# Altium PCB wulpus_pro_acq.PcbDoc (part 1 of 3) (continued)
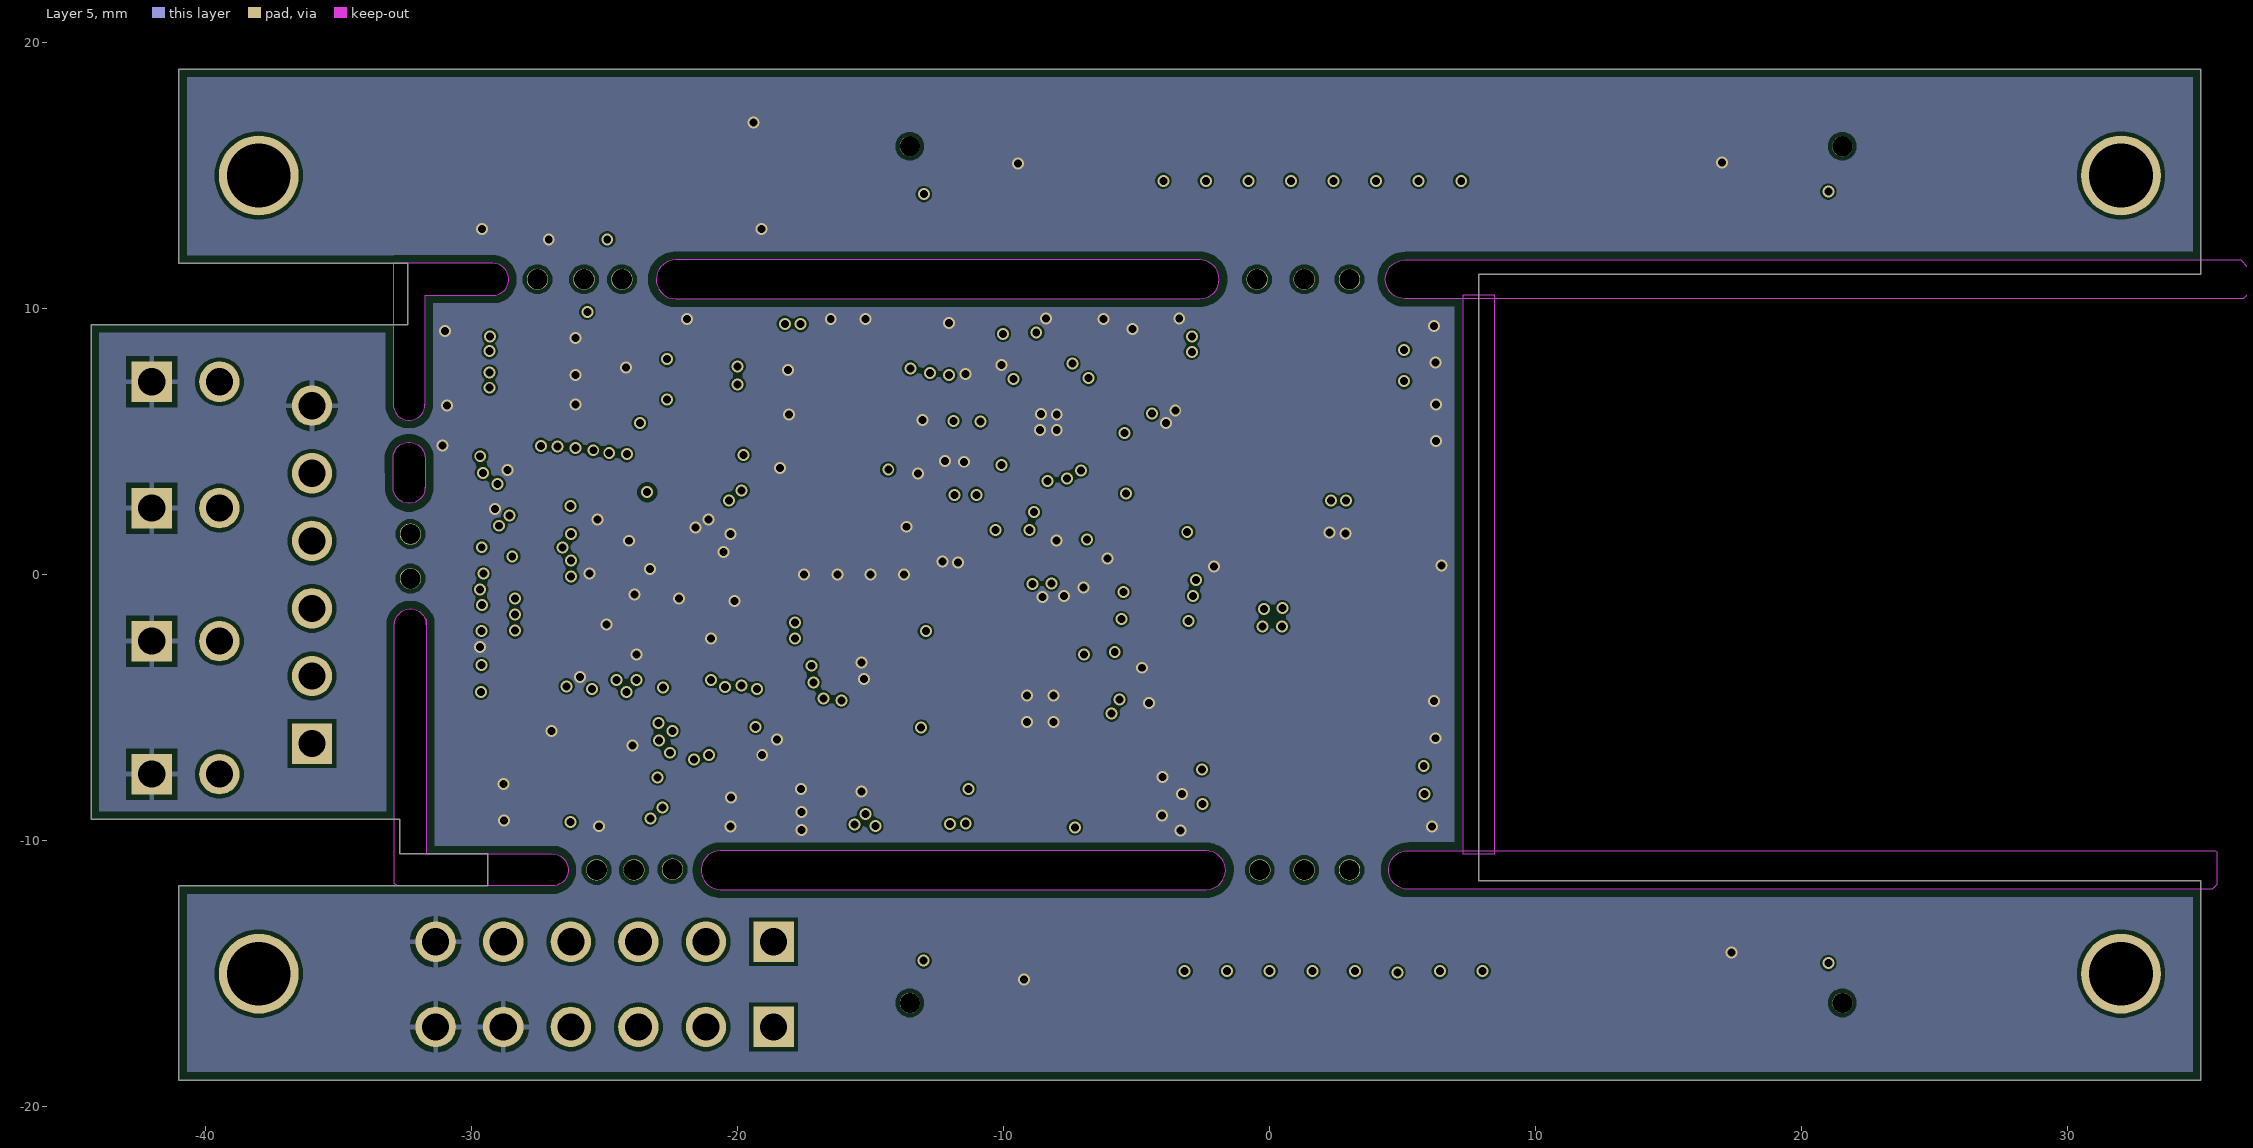
[diagram p5: Layer 5]
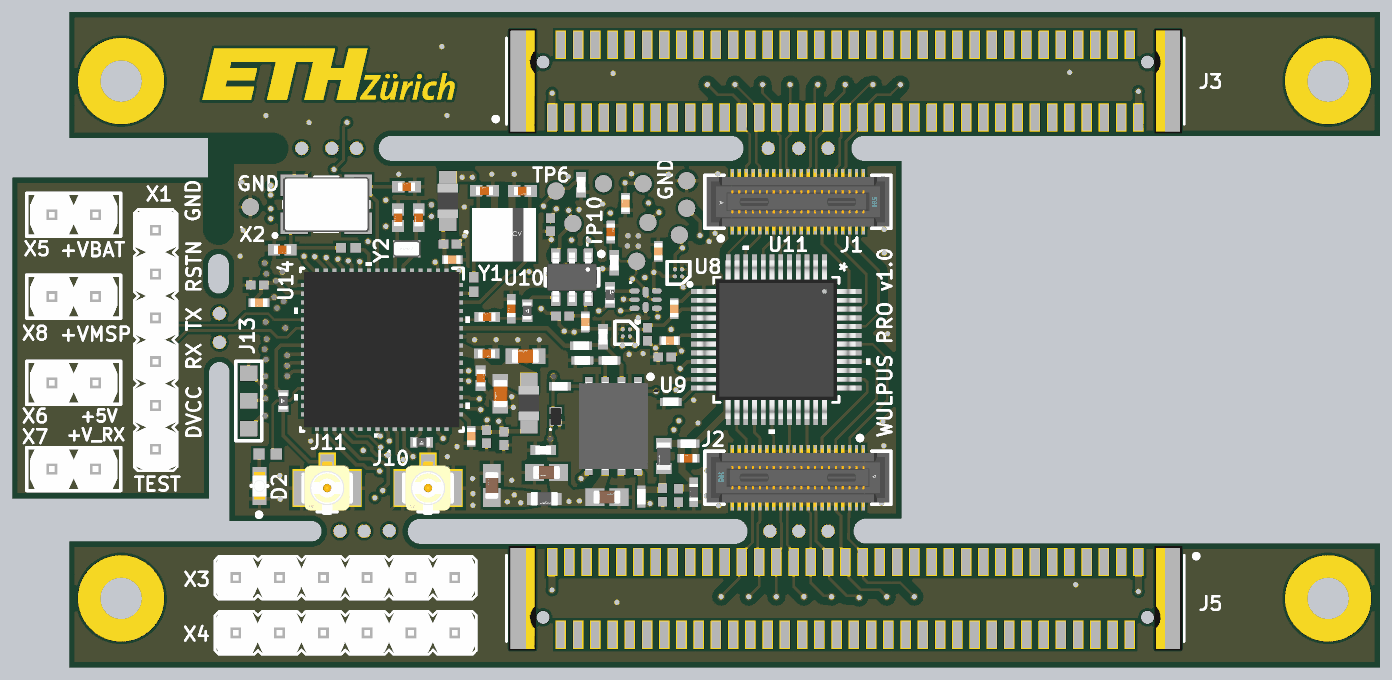
[diagram p8: 3D render of the assembled board from above, using the file's embedded part models]
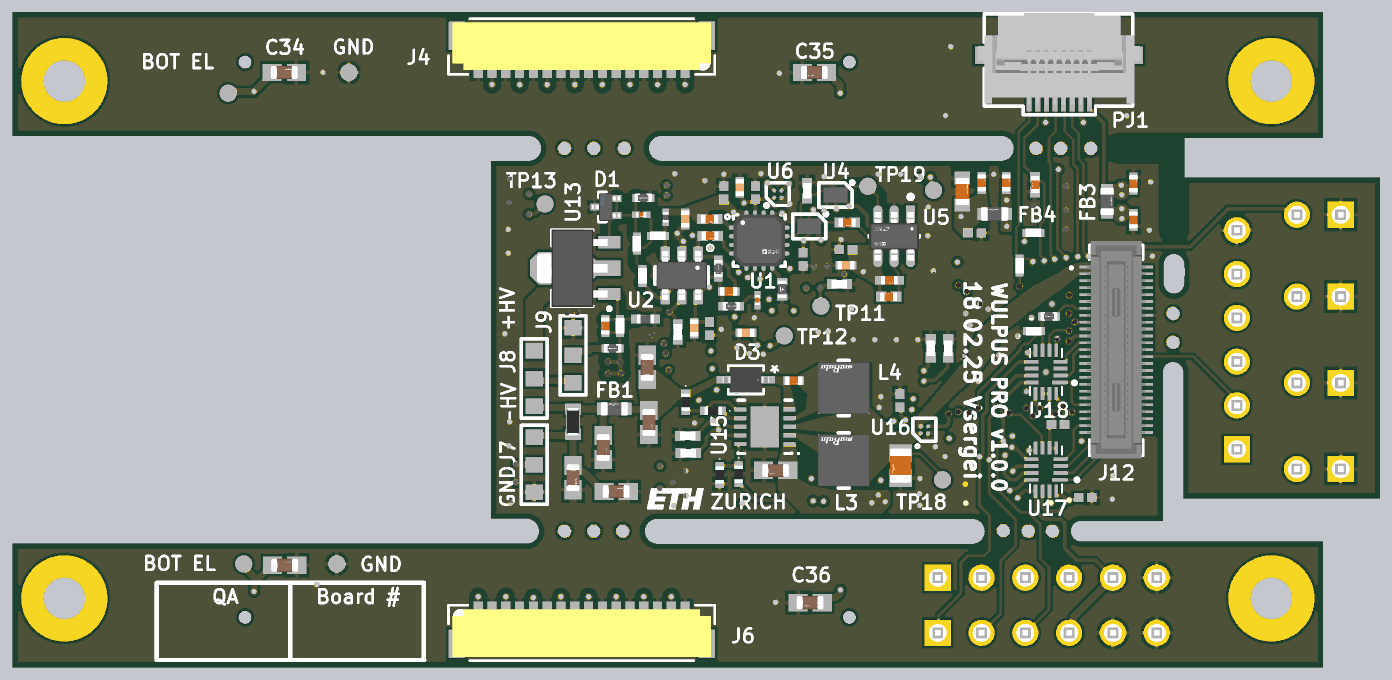
[diagram p9: 3D render of the assembled board from below, using the file's embedded part models]

## Layer stack, top to bottom
Top Solder: solder mask 0.0102, Solder Resist, Dk 3.5
Top Layer: signal copper 0.035
Dielectric 3: prepreg 0.109, PP-2116, Dk 4.36
Layer 2: signal copper 0.03
Dielectric 5: core 0.15, Core-009, Dk 4.41
Layer 3: signal copper 0.03
Dielectric 1: prepreg 0.109, PP-2116, Dk 4.16
Dielectric 2: prepreg 0.109, PP-2116, Dk 4.16
Layer 4: signal copper 0.03
Dielectric 6: core 0.15, Core-009, Dk 4.41
Layer 5: signal copper 0.03
Dielectric 4: prepreg 0.109, PP-2116, Dk 4.36
Bottom Layer: signal copper 0.035
Bottom Solder: solder mask 0.0102, Solder Resist, Dk 3.5

## Board outline
-41,-19 -41,-11.7 -29.4,-11.7 -29.4,-10.5 -32.7,-10.5 -32.7,-9.2 -44.3,-9.2 -44.3,9.4 -32.4,9.4 -32.4,11.7 -41,11.7 -41,19 35,19 35,11.3 7.85,11.3 7.85,-11.5 35,-11.5 35,-19
cut-out: 30.152,-10.373 30.155,-10.375 35.55,-10.375 35.6,-10.425 35.6,-11.65 35.423,-11.827 30.152,-11.827 5.2,-11.827 cw(c5.2,-11.1) 5.2,-10.373
cut-out: 36.498,11.827 36.75,11.575 36.75,10.525 36.597,10.372 30.102,10.372 5.076,10.372 cw(c5.077,11.1) 5.077,11.827
cut-out: -22.335,10.373 -2.625,10.373 ccw(c-2.625,11.1) -1.898,11.1 ccw(c-2.625,11.1) -2.625,11.827 -2.626,11.827 -22.333,11.827 ccw(c-22.333,11.1)
cut-out: -32.947,3.275 -32.95,4.375 cw(c-32.35,4.375) -31.75,4.375 -31.75,3.275 -31.753,3.275 cw(c-32.35,3.275)
cut-out: -32.947,6.4 ccw(c-32.35,6.4) -31.753,6.4 -31.75,6.4 -31.75,10.5 -29.2,10.5 ccw(c-29.2,11.1) -29.2,11.7 -32.919,11.7 -32.947,11.672
cut-out: -32.8,-11.7 -32.9,-11.6 -32.9,-1.886 cw(c-32.3,-1.886) -31.7,-1.886 -31.7,-1.675 -31.7,-10.5 -26.968,-10.5 cw(c-26.968,-11.1) -26.968,-11.7
cut-out: -20.65,-11.837 -2.388,-11.837 ccw(c-2.388,-11.11) -1.661,-11.111 -1.661,-11.11 ccw(c-2.388,-11.11) -2.388,-10.382 -20.65,-10.382 ccw(c-20.65,-11.11)
cut-out: 7.25,-10.5 8.45,-10.5 8.45,10.5 7.25,10.5

## Design rules (kind name [scope] priority, off if disabled: settings)
BoardOutlineClearance [Not OnSilkscreen] p1: gap=0.3 ignorepadtopadclearanceinfootprint=FALSE except(0.2: Track-OutlineEdge Track-CavityEdge Track-CutoutEdge SMDPad-OutlineEdge SMDPad-CavityEdge SMDPad-CutoutEdge; 0.5: THPad-OutlineEdge THPad-CavityEdge THPad-CutoutEdge Via-OutlineEdge Via-CavityEdge Via-CutoutEdge)
Clearance Clearance_RF [InNetClass('RF') vs InNet('GND')] p1: gap=0.15 ignorepadtopadclearanceinfootprint=FALSE except(0.2: Arc-THPad Track-THPad; 0.45: Arc-Fill Arc-Poly Arc-Region Track-Fill Track-Poly Track-Region Fill-Fill Fill-Poly Fill-Region Poly-Poly Poly-Region Region-Region)
Clearance [All] p2: gap=0.15 ignorepadtopadclearanceinfootprint=FALSE except(0.2: Arc-THPad Track-THPad)
ComponentClearance [All] p1: gap=0.1 collisioncheckmode=3 verticalgap=0.3 showdistances=TRUE
HoleToHoleClearance [All] p1: gap=0.254 allowstackedmicrovias=FALSE
MinimumSolderMaskSliver [All] p1: minsoldermaskwidth=0.1
PlaneConnect [All] p1: planeconnectstyle=Relief reliefexpansion=0.508 reliefentries=4 reliefconductorwidth=0.254 reliefairgap=0.2
PolygonConnect PolygonConnect_GND_via [InNet('GND') vs IsVia] p1: connectstyle=Direct reliefconductorwidth=0.254 reliefentries=4 polygonreliefangle="90 Angle" airgapwidth=0.254
PolygonConnect PolygonConnect_GND [InNet('GND')] p2: connectstyle=Relief reliefconductorwidth=0.2 reliefentries=4 polygonreliefangle="90 Angle" airgapwidth=0.2
PolygonConnect [All] p3: connectstyle=Direct reliefconductorwidth=0.254 reliefentries=4 polygonreliefangle="90 Angle" airgapwidth=0.254
RoutingVias [All] p1: holewidth=0.3 width=0.45 viastyle="Through Hole" minholewidth=0.3 minwidth=0.45 maxholewidth=0.3 maxwidth=0.45
SilkToSilkClearance [All] p1: silktosilkclearance=0.01
SilkToSolderMaskClearance [IsPad] p1: minsilkscreentomaskgap=0.01 clearancetoexposedcopper=TRUE
SolderMaskExpansion [IsVia] p1: expansion=0.102 istentingtop=TRUE
SolderMaskExpansion SolderMaskExpansion_1 [All] p2: expansion=0.025 istentingtop=FALSE
SupplyNets "Schematic Supply Nets_14" [InNet('DVCC1')] p1: voltage=0.000
SupplyNets "Schematic Supply Nets_13" [InNet('+V_RX_CONN')] p2: voltage=0.000
SupplyNets "Schematic Supply Nets_8" [InNet('+VBAT')] p3: voltage=0.000
SupplyNets "Schematic Supply Nets_6" [InNet('+VCC_MSP430_CONN')] p4: voltage=0.000
SupplyNets "Schematic Supply Nets_4" [InNet('+V_IO_IN')] p5: voltage=0.000
SupplyNets "Schematic Supply Nets_27" [InNet('GND')] p6: voltage=0.000
SupplyNets "Schematic Supply Nets_25" [InNet('VOUT_NEG')] p7: voltage=0.000
SupplyNets "Schematic Supply Nets_24" [InNet('+V_HV_MUX')] p8: voltage=0.000
SupplyNets "Schematic Supply Nets_20" [InNet('+V_IN_HV')] p9: voltage=0.000
SupplyNets "Schematic Supply Nets_17" [InNet('+HV')] p10: voltage=0.000
SupplyNets "Schematic Supply Nets_12" [InNet('+5V')] p11: voltage=0.000
SupplyNets "Schematic Supply Nets_11" [InNet('-HV')] p12: voltage=0.000
SupplyNets "Schematic Supply Nets_10" [InNet('+V_PREAMP')] p13: voltage=0.000
SupplyNets "Schematic Supply Nets_7" [InNet('+V_VGA')] p14: voltage=0.000
SupplyNets "Schematic Supply Nets_3" [InNet('VOUT_POS')] p15: voltage=0.000
SupplyNets "Schematic Supply Nets_2" [InNet('VGA_VREF')] p16: voltage=0.000
SupplyNets "Schematic Supply Nets" [InNet('+V_RX')] p17: voltage=0.000
Width [All] p1: maxlimit=1.016 minlimit=0.152 preferedwidth=0.203
24 further rules are at their usual default settings.

## Classes and differential pairs
net class RF: BUF_OUT CH0_IN CH_0 CH_1 CH_2 CH_3 CH_4 CH_5 CH_6 CH_7 CH_8 CH_9 CH_10 CH_11 CH_12 CH_13 CH_14 CH_15 ENV_OUT NetC1_1 NetC6_1 NetC6_2 NetC27_2 NetR8_2 NetTP10_1 RF_IN_ENV TR_SW_IN TX_RX VGA_IN VGA_OUT
component class main: A1 M1 M2 M3 M4 TP8 TP9
component class U_tx_path: C24 C25 C26 Q1 R13 R14 R15 R16 R17 R18 R19 R20 U9
component class U_rx_path: C1 C2 C3 C4 C5 C6 C7 C8 C9 C10 C11 C12 C13 C14 C15 C16 C17 C18 C19 C20 C21 C22 C23 R1 R2 R3 R4 R5 R6 R7 R8 R9 R10 R11 R12 TP1 TP2 TP3 TP4 TP5 TP6 TP7 U1 U2 U3 U4 U5 U6 U7 U8
component class U_rx_path_lp_filter: C27 C28 C29 R21 R22 TP10 TP11 U10
component class U_power: C61 C62 C63 C64 C65 C66 C67 C68 C69 C70 C71 C72 D3 FB1 FB2 FB3 FB4 L3 L4 R39 R40 R41 R42 R43 R44 TP18 TP19 TP20 U15 U16
component class U_msp430: 23 C43 C44 C45 C46 C47 C48 C49 C50 C51 C52 C53 C54 C55 C56 C57 C58 C59 C60 D2 J10 J11 L1 L2 PJ1 R31 R32 R33 R34 R35 R36 R37 R38 U14 X2 Y1 Y2
component class U_hv_mux_tr_sw: 323 C30 C31 C32 C33 C34 C35 C36 C37 C38 C39 C40 C41 C42 D1 J1 J2 J3 J4 J5 J6 J7 J8 J9 R23 R24 R25 R26 R27 R28 R29 R30 TP12 TP13 TP14 TP15 TP16 TP17 U11 U12 U13
component class U_host_connector: C73 C74 C75 C76 J12 J13 R45 R46 R47 U17 U18 X1 X3 X4 X5 X6 X7 X8

## Components (designator, comment, footprint, x,y, rotation, side; value= is the part's Value field where it differs from the comment)
A1 "Logo ETH Zurich" eth-zurich_3mm -33.3,13.9 r0 top
C1 "1.5pf" FP-GJM155-0_05-IPC_C -6.529,2.8 r180 bottom locked
C2 "0.1 uF" CAPC1005X55X30LL05T10 -6.25,8.525 r270 bottom
C3 "10 nf" FP-GRM033-0_03-IPC_B -8.2,2.3 r90 bottom
C4 "1 nf" FP-GRM155-0_05-IPC_B -5.45,6.025 r180 bottom locked
C5 "3.3 nf" FP-0402-L_1_0_1-W_0_5_0_1-IPC_C -9.6,6.25 r90 top
C6 "10 nf" FP-GRM033-0_03-IPC_B -1.45,7.25 r180 bottom locked
C7 "1 nf" FP-GRM155-0_05-IPC_B -5.425,7 r180 bottom locked
C8 "2.2 uF" FP-C1005-050-0_15-0_1-MFG -4,7 r270 bottom locked
C9 "2.2 uF" FP-C1005-050-0_15-0_1-MFG -8.75,7.9 r90 top
C10 "1 nf" FP-GRM155-0_05-IPC_B -13.4,6.8 r180 bottom
C11 "2.2 uF" FP-C1005-050-0_15-0_1-MFG -6.85,5.125 r270 top
C12 "1 nf" FP-GRM155-0_05-IPC_B -15.8,2.5 r0 bottom locked
C13 "100 pf" FP-0402-L_1_0_1-W_0_5_0_1-MFG -15.85,3.45 r180 bottom locked
C14 "2.2 uF" FP-C1005-050-0_15-0_1-MFG -4.525,0.675 r270 bottom locked
C15 "2.2 uF" FP-C1005-050-0_15-0_1-MFG -7.174,8.836 r90 bottom
C16 "47 uF" FP-GRM188-0_2-MFG -20.075,8.6 r90 bottom locked
C17 "0.1 uF" CAPC1005X55X30LL05T10 -20.8,6.2 r0 bottom locked
C18 "0.1 uF" CAPC1005X55X30LL05T10 -5.425,0.65 r90 bottom locked
C19 "0.1 uF" CAPC1005X55X30LL05T10 -8.075,8.525 r270 bottom locked
C20 "2.2 uF" FP-C1005-050-0_15-0_1-MFG -13.325,4.325 r0 bottom locked
C21 "0.1 uF" CAPC1005X55X30LL05T10 -13.325,5.225 r180 bottom
C22 "0.1 uF" CAPC1005X55X30LL05T10 -13.1,6.675 r90 top
C23 "0.1 uF" CAPC1005X55X30LL05T10 -10.839,4.675 r90 bottom
C24 "10 pf 50V" CAPC1005X55X25LL05T10 -6.6,-9 r90 top
C25 "10 pf 50V" CAPC1005X55X25LL05T10 -5.675,-9.025 r90 top
C26 "2.2 uF 50V" FP-GRM188-0_2-IPC_B -9.825,-9.125 r0 top locked
C27 "100 pf" FP-0402-L_1_0_1-W_0_5_0_1-MFG -15.375,1.8 r270 top locked
C28 "2.2 uF" FP-C1005-050-0_15-0_1-MFG -11.075,1.025 r270 top locked
C29 "0.1 uF" CAPC1005X55X30LL05T10 -12.4,1.375 r0 top locked
C30 "2.2 uF" FP-C1005-050-0_15-0_1-MFG -5.925,1.8 r90 top locked
C31 "0.1 uF" CAPC1005X55X30LL05T10 -7.475,0.325 r90 top locked
C32 "2.2 uF" FP-C1005-050-0_15-0_1-MFG -6.175,-0.05 r180 top locked
C33 "0.1 uF" CAPC1005X55X30LL05T10 -6.475,-1 r0 top locked
C34 "2.2 uF 50V" FP-GRM188-0_2-IPC_B 19.25,15.5 r180 bottom
C35 "2.2 uF 50V" FP-GRM188-0_2-IPC_B -11.5,15.5 r0 bottom
C36 "2.2 uF 50V" FP-GRM188-0_2-IPC_B -11.25,-15.25 r0 bottom
C37 "2.2 uF 50V" FP-GRM188-0_2-IPC_B 19.225,-13.075 r180 bottom
C38 "2.2 uF 50V" FP-GRM188-0_2-IPC_B 0,-8.8 r180 bottom locked
C39 "2.2 uF 50V" FP-GRM188-0_2-IPC_B 2.5,-8 r270 bottom locked
C40 "2.2 uF" FP-C1005-050-0_15-0_1-MFG -7.525,0.4 r180 bottom
C41 "47 nf 50V" FP-GRM155-0_05-IPC_C -5.1,-6.875 r180 top locked
C42 "47 nf 50V" FP-GRM155-0_05-IPC_C 0.625,0.8 r270 bottom locked
C43 "1 nf" FP-GRM155-0_05-IPC_B -16.775,1.325 r180 top locked
C44 "47 uF" FP-GRM188-0_2-MFG -14.55,-0.95 r180 top locked
C45 "1 nf" FP-GRM155-0_05-IPC_B -17.15,-2.225 r90 top locked
C46 "1 nf" FP-GRM155-0_05-IPC_B -16.8,-0.8 r0 top locked
C47 "47 uF" FP-GRM188-0_2-MFG -16,-3.125 r270 top locked
C48 "2.2 uF" FP-C1005-050-0_15-0_1-MFG -18.8,4.65 r180 top locked
C49 "2.2 uF" FP-C1005-050-0_15-0_1-MFG -30,2.15 r180 top
C50 "2.2 uF" FP-C1005-050-0_15-0_1-MFG -17.7,-5.6 r90 top locked
C51 "0.1 uF" CAPC1005X55X30LL05T10 -18.925,5.55 r0 top locked
C52 "0.1 uF" CAPC1005X55X30LL05T10 -30.1,3.175 r180 top
C53 "0.1 uF" CAPC1005X55X30LL05T10 -16.8,-5.625 r270 top locked
C54 "GJM1555C1H120GB01D" FP-GJM155-0_05-IPC_A -28.65,5.225 r0 top locked
C55 "GJM1555C1H120GB01D" FP-GJM155-0_05-IPC_A -21.44,8.88 r180 top locked
C56 "GRM1555C1H102JA01D" FP-GRM155-0_05-IPC_B -24.3,9 r270 bottom
C57 "GJM1555C1H120GB01D" FP-GJM155-0_05-IPC_A -16.925,8.65 r180 top locked
C58 "GJM1555C1H120GB01D" FP-GJM155-0_05-IPC_A -21.94,7.08 r270 top locked
C59 "GJM1555C1H120GB01D" FP-GJM155-0_05-IPC_A -14.725,8.625 r0 top locked
C60 "GJM1555C1H120GB01D" FP-GJM155-0_05-IPC_A -20.75,7.075 r270 top locked
C61 "2.2 uF 50V" FP-GRM188-0_2-IPC_B -1.9,-4.8 r270 bottom locked
C62 "2.2 uF 50V" FP-GRM188-0_2-IPC_B 0.75,-6.25 r270 bottom locked
C63 "2.2 uF 50V" FP-GRM188-0_2-IPC_B -9.25,-7.573 r0 bottom locked
C64 "1 uF 50V" FP-GCM21B-0_15-IPC_C -16.5,-7.3 r270 bottom locked
C65 "2.2 uF 50V" FP-GRM188-0_2-IPC_B -16.5,-8.45 r90 top locked
C66 "2.2 uF 50V" FP-GRM188-0_2-IPC_B -13.325,-7.7 r180 top locked
C67 "0.1 uF 50V" FP-GRM155-0_05-MFG -10.3,-2.373 r180 bottom locked
C68 "2.2 uF 50V" FP-GRM188-0_2-IPC_B -1.8,-1.6 r90 bottom locked
C69 "1 uF 10V" FP-GRM155-0_1-IPC_C -30,6.95 r270 bottom locked
C70 "1 uF 10V" FP-GRM155-0_1-IPC_C -30,9.05 r90 bottom locked
C71 "1 uF 10V" FP-GRM155-0_1-IPC_C -22.625,9.1 r90 bottom locked
C72 "1 uF 10V" FP-GRM155-0_1-IPC_C -21.2,9.1 r90 bottom locked
C73 "0.1 uF" CAPC1005X55X30LL05T10 -16.45,-3.525 r90 bottom locked
C74 "0.1 uF" CAPC1005X55X30LL05T10 -27.2,-9.15 r180 bottom locked
C75 "0.1 uF" CAPC1005X55X30LL05T10 -15.8,-5.725 r270 top locked
C76 "0.1 uF" CAPC1005X55X30LL05T10 -25.625,-4.925 r180 bottom locked
D1 "BAV99T-7-F" FP-SOT523-MFG 0.6,7.7 r0 bottom locked value=1.5pF
D2 "APHD1608LZGCK" FP-APHD1608LZGCK-MFG -29.975,-8.475 r90 top locked
D3 "ZHCS400QTA" DIODE_SOD323_DIO -7.525,-2.323 r0 bottom locked
FB1 "BLM18SP101SN1D" FP-BLM18-0_15-t0_8-MFG 0.1,-4 r0 bottom locked
FB2 "BLM18SP101SN1D" FP-BLM18-0_15-t0_8-MFG -13.45,-9.225 r0 top locked
FB3 "BLM18SP101SH1D" FP-BLM18-0_15-t0_8-MFG -28.475,8.025 r90 bottom locked
FB4 "BLM18SP101SH1D" FP-BLM18-0_15-t0_8-MFG -21.95,7.3 r0 bottom locked
J1 "DF40C-40DS-0.4V(51)" FP-DF40C-40DS-0_4V_51-MFG 1.25,8 r0 top locked
J2 "DF40C-40DS-0.4V(51)" FP-DF40C-40DS-0_4V_51-MFG 1.25,-8 r180 top locked
J3 "91931-31169LF" FRAMETOME_91931-31169LF 4,15 r0 top locked
J4 "DF52-16S-0.8H(21)" CONN_DF52-16S-0.8H(21)_HIR 2,17 r0 bottom locked
J5 "91931-31169LF" FRAMETOME_91931-31169LF 4,-15 r180 top locked
J6 "DF52-16S-0.8H(21)" CONN_DF52-16S-0.8H(21)_HIR 2,-17 r180 bottom locked
J7 "Solder Jumper" "Jumper 3 pins" 4.75,-7.25 r270 bottom locked
J8 "Solder Jumper" "Jumper 3 pins" 4.75,-2.25 r270 bottom locked
J9 "Solder Jumper" "Jumper 3 pins" 2.5,-0.9 r270 bottom locked
J10 "U.FL-R-SMT-1(10)" FP-U_FL-R-SMT-1_10-MFG -20.2,-8.6 r0 top locked
J11 "U.FL-R-SMT-1(10)" FP-U_FL-R-SMT-1_10-MFG -26.05,-8.6 r0 top locked
J12 "DF40HC(3.0)-50DS-0.4V(51)" DF40HC3050DS04V51 -29,-0.58 r270 bottom locked
J13 "Solder Jumper" "Jumper 3 pins" -30.6,-3.55 r270 top locked
L1 "742792040" SMD-0805 -14.35,-3.675 r90 top locked
L2 "742792040" SMD-0805 -19.05,8.05 r270 top locked
L3 "LQH3NPZ100MMEL" FP-LQH3NPH_ME-MFG -13.2,-7 r0 bottom locked
L4 "LQH3NPZ100MMEL" FP-LQH3NPH_ME-MFG -13.2,-2.8 r0 bottom locked
M1 "Mounting Hole" "Mounting Hole" -38,15 r0 top locked
M2 "Mounting Hole" "Mounting Hole" -38,-15 r0 top
M3 "Mounting Hole" "Mounting Hole" 32,15 r0 top
M4 "Mounting Hole" "Mounting Hole" 32,-15 r0 top
PJ1 "5051100892" MOLEX_5051100892 -25.7,15.3 r180 bottom locked
Q1 "NX7002BKMBYL" NX7002BKMBYL -12.8,-4.45 r90 top locked
R1 "1.3k" FP-CRCW0402-e3-IPC_B -9.4,4.475 r90 top locked
R2 "2k" FP-ERJ2RK-MFG -6.675,1.95 r0 bottom locked
R3 "2k" FP-ERJ2RK-MFG -5.925,4.125 r90 bottom locked
R4 "400" FP-CRCW0402-C-e3-MFG -9.625,2.925 r90 bottom
R5 "2.7k" FP-MCS0402-IPC_B -9.65,2.6 r90 top locked
R6 "0 Ohm" FP-CRCW0402-e3-IPC_C -1.2,5.575 r270 bottom locked
R7 "0 Ohm" FP-CRCW0402-e3-IPC_C -1.525,3.7 r270 bottom locked
R8 "0 Ohm" FP-CRCW0402-e3-IPC_C -2.425,6.025 r180 bottom locked
R9 "47k" FP-RMCF0201-MFG -2.875,7.1 r270 bottom locked
R10 "10k" FP-CRCW0402-e3-IPC_B -11.325,9 r270 top
R11 "10k" FP-CRCW0402-e3-IPC_B -11.075,8.65 r90 bottom locked
R12 "10k" FP-CRCW0402-e3-IPC_B -3.575,0.45 r270 bottom locked
R13 "51" FP-CRCW0402-e3-IPC_C -11.325,-0.35 r0 top locked
R14 "10k" FP-CRCW0402-e3-IPC_B -10.05,0.175 r270 top locked
R15 "0 Ohm" FP-ERJ-3GEY0R00V-MFG -6.525,-6.75 r90 top locked value=0Ω
R16 "10k" FP-CRCW0402-e3-IPC_B -13.525,-6.4 r0 top locked
R17 "0 Ohm" FP-CRCW0402-e3-IPC_C -9.675,-1.2 r180 top locked
R18 "0 Ohm" FP-CRCW0402-e3-IPC_C -11.25,-1.2 r0 top locked
R19 "0 Ohm" FP-CRCW0402-e3-IPC_C -12.55,-2.7 r0 top locked
R20 "0 Ohm" FP-CRCW0402-e3-IPC_C -7.825,-9.1 r270 top locked
R21 "400" FP-CRCW0402-C-e3-MFG -14.45,1.675 r270 top locked
R22 "10k" FP-CRCW0402-e3-IPC_B -12.95,3.225 r180 bottom locked
R23 "0 Ohm" FP-CRCW0402-e3-IPC_C -6.125,-3.6 r0 top locked
R24 "3k 1/3W" ERJP03_PA3_(0603) 2.5,-4.75 r270 bottom locked
R25 "0 Ohm" FP-CRCW0402-e3-IPC_C -0.225,0.8 r270 bottom locked
R26 "390k" FP-RC1005-MFG -4.8,-8.85 r270 top
R27 "100k" FP-ERJ2RK-IPC_C 0.2,-0.5 r0 bottom locked
R28 "100k" FP-ERJ2RK-IPC_C -1.575,8.225 r0 bottom locked
R29 "390k" FP-RC1005-MFG -1.7,1.2 r0 bottom locked
R30 "0 Ohm" FP-CRCW0402-e3-IPC_C -5.1,-6.025 r180 top locked
R31 "CRCW04021M00FKED" FP-CRCW0402-e3-MFG -19.25,-0.5 r90 bottom locked
R32 "CRCW04021M00FKED" FP-CRCW0402-e3-MFG -18.25,-0.5 r90 bottom locked
R33 "400" FP-CRCW0402-C-e3-MFG -20.575,-5.95 r180 top locked
R34 "400" FP-CRCW0402-C-e3-MFG -28.6,-3.55 r90 top locked
R35 "RC0402JR-0722RL" RESC1005X40X25NL05T10 -24.825,5.325 r0 top locked
R36 "CPF0402B324RE1" RESC1005X35X20ML05T10 -29.5,-6.625 r180 top locked
R37 "CRCW040247K0FKED" FP-CRCW0402-e3-IPC_C -24.2,6.2 r180 bottom
R38 "RC0402JR-0722RL" RESC1005X40X25NL05T10 -17.55,3.2 r270 top locked
R39 "1MΩ" ERJ2RKD1004X#1 -7.1,-7.798 r270 bottom locked
R40 "43.2 kΩ" ERJ2RKD1004X#2 -6,-7.848 r270 bottom locked
R41 "41.2 kΩ" ERJ2RKD1004X#1 -5.625,-4.125 r0 bottom locked
R42 "1MΩ" ERJ2RKD1004X#1 -4.025,-3.625 r270 bottom locked
R43 "10k" FP-CRCW0402-e3-IPC_B -4.175,-6.575 r0 bottom locked
R44 "10k" FP-CRCW0402-e3-IPC_B -4.15,-5.575 r0 bottom locked
R45 "0 Ohm" FP-CRCW0402-e3-IPC_C -23.4,4.3 r270 bottom
R46 "100k" FP-ERJ2RK-IPC_C -25.1,1.35 r180 bottom locked
R47 "0 Ohm" FP-CRCW0402-e3-IPC_C -24.225,0.5 r180 bottom locked
TP1 "TP-SM-C-100" TP-SM-C-100#1 -8.1,4.55 r0 top
TP2 "TP-SM-C-100" TP-SM-C-100#1 -5.2,7.625 r90 top
TP3 "TP-SM-C-100" TP-SM-C-100#1 -14.6,8.9 r90 bottom
TP4 "TP-SM-C-100" TP-SM-C-100#1 -10.025,9.05 r90 top locked
TP5 "TP-SM-C-100" TP-SM-C-100#1 -5.625,6.075 r90 top
TP6 "TP-SM-C-100" TP-SM-C-100#1 -12.777,8.625 r90 top locked
TP7 "TP-SM-C-100" TP-SM-C-100#1 -7.447,6.8 r90 top
TP8 "TP-SM-C-100" TP-SM-C-100#1 -30.5,7.7 r90 top